# Altium PCB LimeSDR-X3_1v1.PcbDoc (part 21 of 25)
Units mm, origin at the board's own origin, x right, y up, seen from the top; angles counter-clockwise.
Board outline 232.5 x 111.15 mm, 12 copper layers (Top, L2, L3, L4, L5, L6, L7, L8, L9, L10, L11, Bottom), stack 1.596 mm thick; 2068 components, 1388 nets, 8930 pads, 3646 vias.
Unrouted connection lines stored in the file: 1.
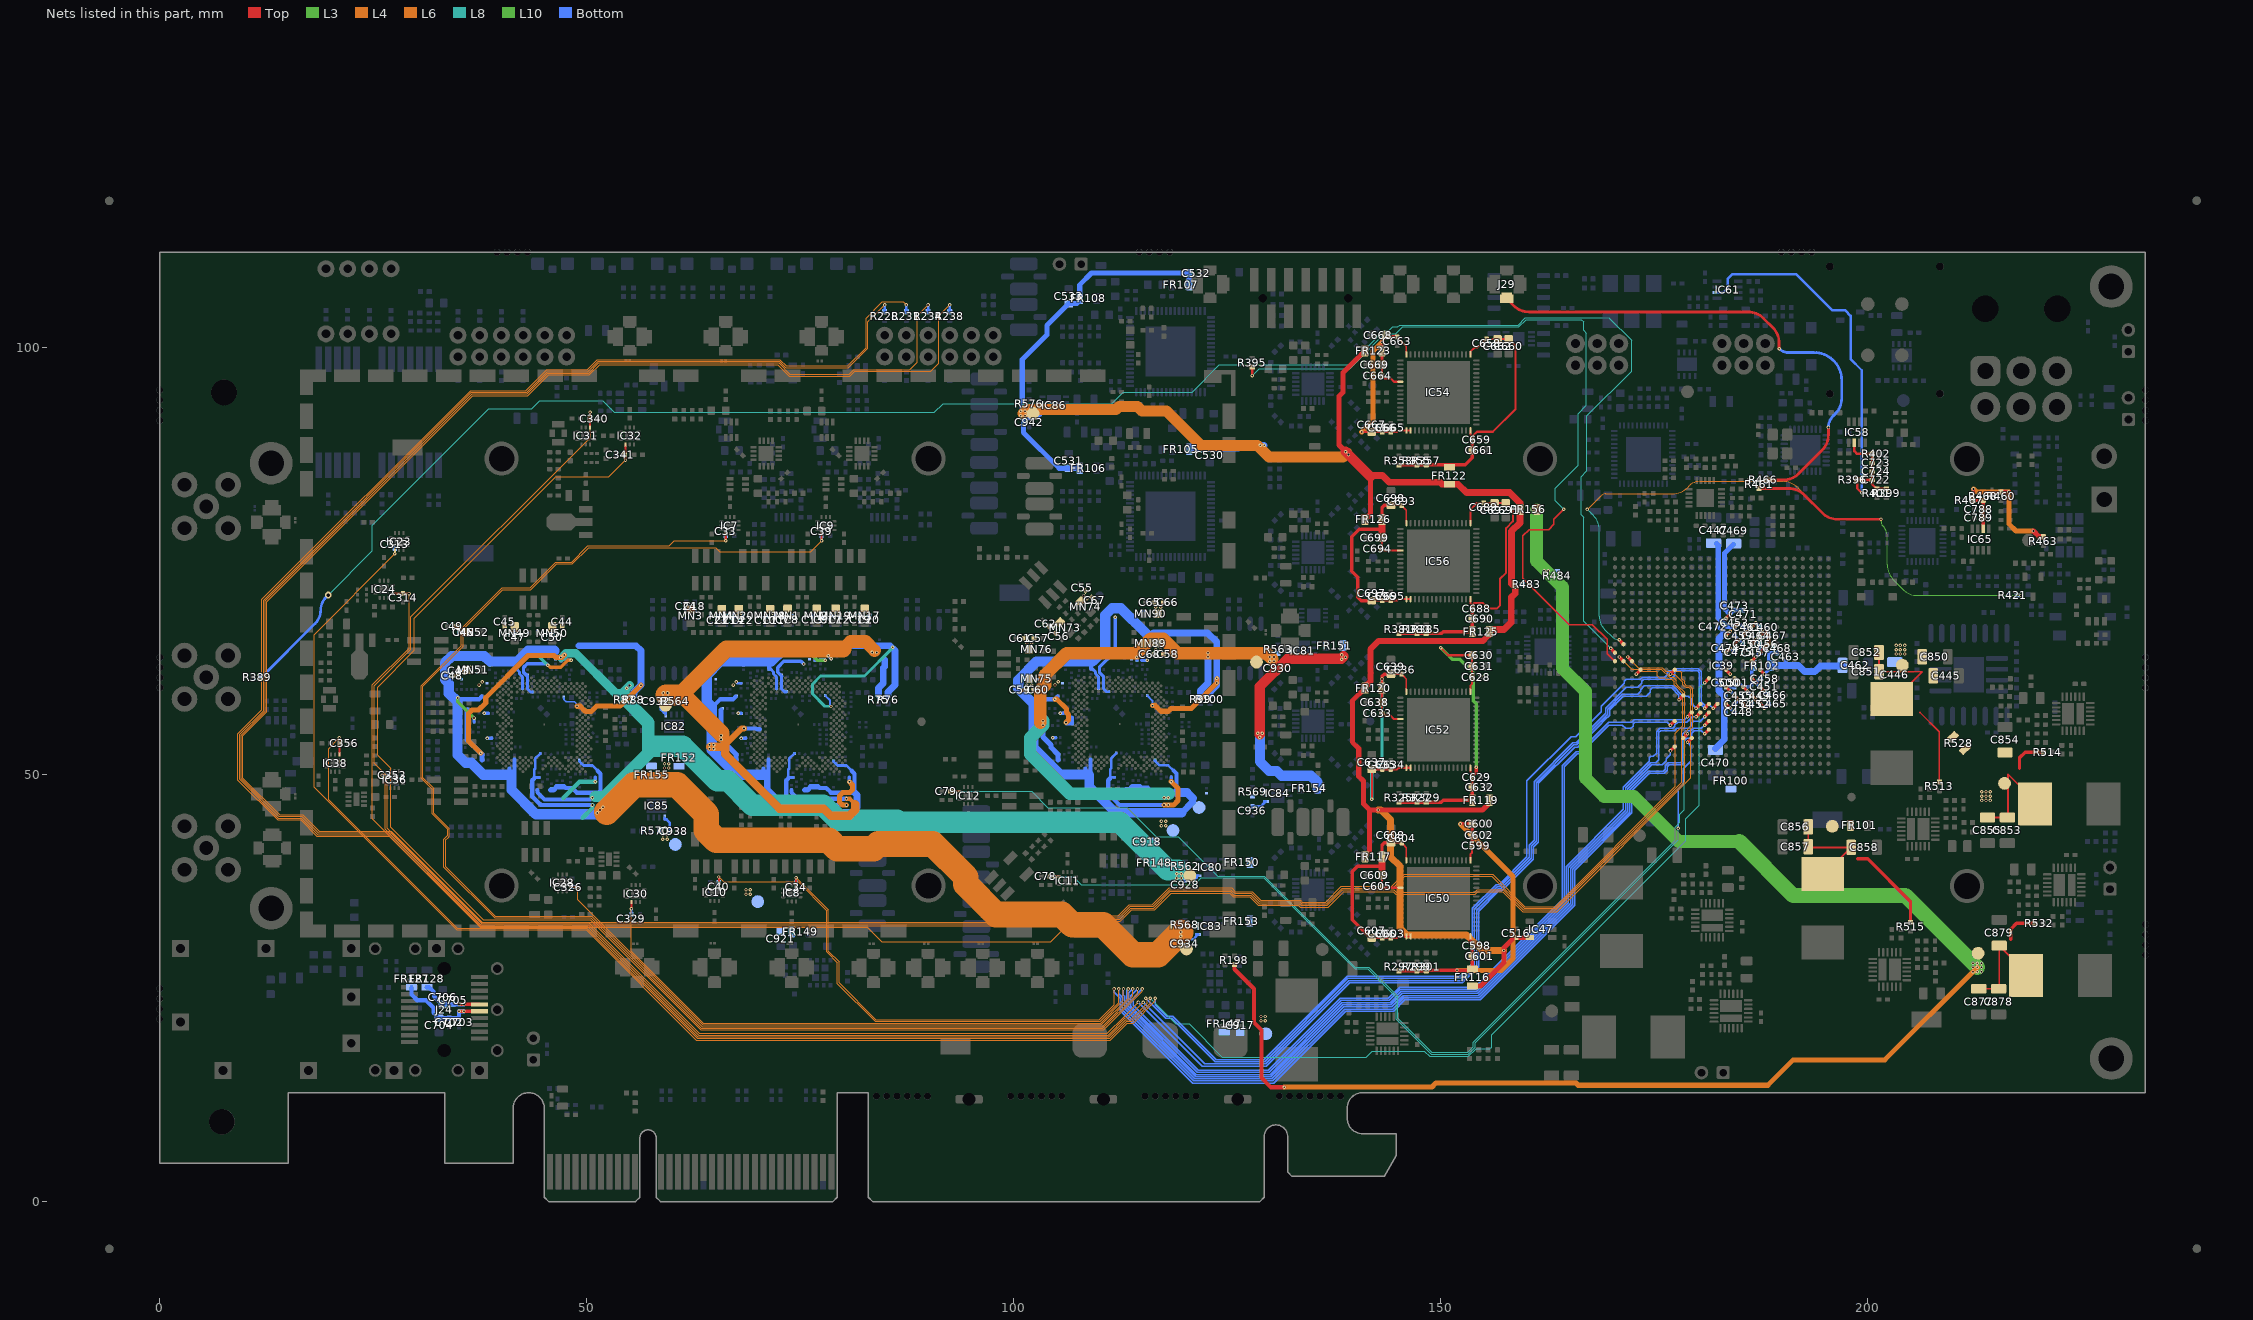
[diagram p31: the nets of this part, all layers, seen from the top]

## Via types
v1: diameter 0.4, hole 0.2, Top to Bottom, tented both sides, 3063 vias
v2: diameter 0.35, hole 0.2, Top to Bottom, tented both sides, 272 vias
v3: diameter 0.5, hole 0.2, Top to Bottom, tented bottom, 196 vias
v4: diameter 0.5, hole 0.2, Top to Bottom, tented both sides, 102 vias
v5: diameter 0.8, hole 0.4, Top to Bottom, tented both sides, 13 vias

## Nets (pads, with @x,y where several pads share a name; then routed paths per layer and width w, separated by ;. In a path a pad name is that pad's centre, name@x,y a point inside that pad or via, vN(x,y) a via of type N, cw(c..) or ccw(c..) an arc to the next point about the centre after c; other vN are vias at no path point) (continued)
PMOD_B_PIN7: IC39.N19 R228.2 | length 314.4
  Top w0.4: v1(176.875,61.775) IC39.N19@177.375,62.275
  L4 w0.1: v1(84.856,104.996) 82.9,103.041 82.9,99.925 80.625,97.65 73.267,97.65 72.517,98.4 51.308,98.4 50.108,97.2 45.85,97.2 45.353,97.2 42.928,94.775 36.468,94.775 36.343,94.65 12.125,70.432 12.125,57.505 9.316,54.696 9.316,49.432 13.849,44.9 16.541,44.9 18.466,42.975 26.945,42.975 37.595,32.325 82.914,32.325 105.892,32.325 106.617,33.05 112.367,33.05 113.692,34.375 116.379,34.375 118.329,36.325 125.326,36.325 125.751,35.9 127.706,35.9 127.714,35.9 128.714,34.9 133.389,34.9 133.614,34.675 136.692,34.675 138.517,36.5 144.475,36.5 144.775,36.2 153.934,36.2 154.234,36.5 157.308,36.5 159.658,34.15 163.526,34.15 178.525,49.149 178.525,54.925 179.275,55.675 179.275,59.992 179.042,60.225 178.647,60.225 178.325,60.547 178.325,60.82 177.37,61.775 v1(176.875,61.775)
  Bottom w0.3: R228.2@84.856,104.2 v1(84.856,104.996)
PMOD_B_PIN8: IC39.P24 R231.2 | length 326.3
  Top w0.4: v1(171.875,63.775) IC39.P24@172.375,63.275
  L4 w0.1: v1(87.399,104.996) 87.049,105.346 84.596,105.346 82.675,103.425 82.675,99.983 80.542,97.85 73.35,97.85 72.6,98.6 51.225,98.6 50.025,97.4 45.933,97.4 45.27,97.4 42.845,94.975 36.385,94.975 36.26,94.85 11.925,70.515 11.925,57.588 9.116,54.779 9.116,49.349 13.766,44.7 16.458,44.7 18.383,42.775 26.862,42.775 37.512,32.125 82.831,32.125 84.506,30.45 104.3,30.45 106.7,32.85 112.45,32.85 113.775,34.175 116.462,34.175 118.412,36.125 125.244,36.125 125.669,35.7 127.624,35.7 127.631,35.7 128.631,34.7 133.306,34.7 133.531,34.475 136.775,34.475 138.6,36.3 144.392,36.3 144.692,36 154.017,36 154.317,36.3 157.225,36.3 159.575,33.95 163.609,33.95 179.275,49.616 179.275,55.35 179.475,55.55 179.475,60.075 179.125,60.425 178.73,60.425 178.525,60.63 178.525,60.903 178.225,61.203 178.225,61.92 178.02,62.125 176.325,62.125 176.317,62.125 175.917,62.525 173.125,62.525 v1(171.875,63.775)
  Bottom w0.3: R231.2@87.399,104.2 v1(87.399,104.996)
PMOD_B_PIN9: IC39.P25 R234.2 | length 327.1
  Top w0.4: v1(170.875,63.775) IC39.P25@171.375,63.275
  L4 w0.1: v1(89.941,104.996) 88.677,103.732 88.677,98.285 87.817,97.425 81.25,97.425 80.7,96.875 73.759,96.875 72.434,98.2 51.391,98.2 50.191,97 45.767,97 45.436,97 43.011,94.575 36.55,94.575 12.325,70.35 12.325,57.422 9.516,54.614 9.516,49.515 13.931,45.1 16.624,45.1 18.549,43.175 27.028,43.175 37.678,32.525 82.997,32.525 105.809,32.525 106.534,33.25 112.284,33.25 113.492,34.458 113.609,34.575 116.297,34.575 118.247,36.525 118.434,36.525 125.244,36.525 125.409,36.525 125.834,36.1 127.789,36.1 127.797,36.1 128.797,35.1 133.472,35.1 133.697,34.875 136.6,34.875 138.425,36.7 144.35,36.7 145.775,38.125 155.967,38.125 159.742,34.35 163.444,34.35 178.225,49.131 178.225,55.325 178.525,55.625 178.525,59.633 177.733,60.425 177.73,60.425 177.525,60.63 177.525,61.075 177.225,61.375 176.775,61.375 175.825,62.325 172.325,62.325 v1(170.875,63.775)
  Bottom w0.3: R234.2@89.941,104.2 v1(89.941,104.996)
PMOD_B_PIN10: IC39.N23 R238.2 | length 326.2
  Top w0.4: v1(172.875,61.775) IC39.N23@173.375,62.275
  L4 w0.1: v1(92.484,104.996) 91.22,103.732 91.22,98.186 90.259,97.225 81.333,97.225 80.783,96.675 73.676,96.675 72.351,98 51.474,98 50.274,96.8 45.684,96.8 45.519,96.8 43.094,94.375 36.633,94.375 36.491,94.233 12.525,70.267 12.525,57.339 9.716,54.531 9.716,49.598 14.014,45.3 16.706,45.3 18.631,43.375 27.111,43.375 37.761,32.725 105.726,32.725 106.451,33.45 112.201,33.45 113.292,34.541 113.526,34.775 116.214,34.775 118.164,36.725 118.517,36.725 125.161,36.725 125.492,36.725 125.917,36.3 127.872,36.3 127.88,36.3 128.88,35.3 133.555,35.3 133.78,35.075 136.517,35.075 138.342,36.9 144.267,36.9 145.692,38.325 156.05,38.325 159.825,34.55 163.361,34.55 177.425,48.614 177.425,54.825 178.325,55.725 178.325,59.55 177.65,60.225 177.647,60.225 177.325,60.547 177.325,60.85 177.025,61.15 176.35,61.15 176.15,61.35 175.575,61.35 175.35,61.575 175.35,61.975 175.2,62.125 173.225,62.125 v1(172.875,61.775)
  Bottom w0.3: R238.2@92.484,104.2 v1(92.484,104.996)
PTP_CLK1_OUT: IC39.T25 R421.2 R461.2 | length 93.3
  Top w0.325: R461.2@187.25,83.5 190.748,83.5 cw(c190.748,80.96) 192.544,82.756 194.671,80.629 ccw(c196.431,82.389) 196.431,79.9 v1(201.525,79.9)
  Top w0.4: v1(170.875,65.775) IC39.T25@171.375,65.275
  L3 w0.1: v1(201.525,79.9) 201.525,79.724 ccw(c202.549,79.724) 201.825,79 cw(c200.739,77.914) 202.275,77.914 202.275,74.552 ccw(c204.815,74.552) 203.019,72.756 204.056,71.719 ccw(c205.852,73.515) 205.852,70.975 v1(217.915,70.975)
  L8 w0.1: v1(167.125,81.05) 167.825,80.35 cw(c166.135,78.66) 168.525,78.66 168.525,68.535 ccw(c170.71,68.535) 169.165,66.99 170.03,66.125 ccw(c170.875,66.97) v1(170.875,65.775)
  L6 w0.1: v1(167.125,81.05) ccw(c167.125,81.11) 167.168,81.068 168.75,82.65 cw(c169.293,82.107) 169.293,82.875 177.098,82.875 ccw(c177.098,85.415) 178.894,83.619 179.1,83.825 cw(c180.307,82.618) 180.307,84.325 189.998,84.325 cw(c189.998,81.785) 191.794,83.581 194.731,80.644 ccw(c196.527,82.44) 196.527,79.9 v1(201.525,79.9)
PTP_CLK2_OUT: IC39.R26 R389.2 | length 223.4
  Top w0.4: v1(169.875,64.775) IC39.R26@170.375,64.275
  L8 w0.1: v5(19.7,71.025) 24.875,76.2 24.875,79.175 38.525,92.825 43.525,92.825 44.475,93.775 51.85,93.775 53.223,92.402 90.677,92.402 91.728,93.453 111.453,93.453 112.8,94.8 120.85,94.8 124.05,98 139.375,98 143.325,101.95 143.9,101.95 144.375,102.425 144.95,102.425 145.15,102.625 159.042,102.625 159.892,103.475 159.975,103.475 160,103.5 169.673,103.5 172.325,100.848 172.325,97.225 167.1,92 167.1,85.575 166.4,84.875 166.4,80.425 166.7,80.125 166.7,67.95 v1(169.875,64.775)
  Bottom w0.325: R389.2@11.875,61.4 18.171,67.696 ccw(c16.592,69.275) 18.825,69.275 cw(c20.937,69.275) 19.444,70.769 v5(19.7,71.025)
PTP_CLK3_OUT: IC39.P26 R395.2 | length 93.8
  Top w0.15: v1(164.375,81.075) 163.225,79.925 163.225,79.3 162.625,78.7 160.325,78.7 159.6,77.975 159.6,72.989 165.013,67.576 167.724,67.576 169.475,65.825 169.475,64.175 IC39.P26@170.375,63.275
  Top w0.325: v1(127.9,96.725) R395.2@127.9,97.725
  L8 w0.1: v1(127.9,96.725) 128.7,97.525 139.3,97.525 143.375,101.6 144.725,101.6 145.55,102.425 159.125,102.425 159.975,103.275 166.425,103.275 166.7,103 166.7,102.025 167.025,101.7 167.025,93.25 166.05,92.275 166.05,86.217 163.375,83.542 163.375,82.075 v1(164.375,81.075)
PTP_XO_DAC_VREF: C722.2 C723.1 C724.1 IC58.2 IC61.2 R396.1 R399.2 R401.1 R402.1 | length 52.5
  Top w0.3: IC58.2@198.4,88.839 198.4,87.889 198.739,87.55 R402.1@200.5,87.55 C723.1@200.5,86.5 C724.1@200.5,85.5 C722.2@200.5,84.5 ; R396.1@198.75,84.55 198.75,83.525 v1(199.275,83) ; R396.1@198.8,84.5 C722.2@200.5,84.5 ; R399.2@202.15,83.45 R401.1@201.05,83.45 200.5,84 C722.2@200.5,84.5
  Bottom w0.3: IC61.2@182.325,106.45 183.075,106.45 183.575,106.95 183.575,108.025 184.15,108.6 191.575,108.6 195.825,104.35 197.35,104.35 197.975,103.725 197.975,98.65 199.275,97.35 v1(199.275,83)
REF_CLK_IN: J29.1 R466.1 | length 60.9
  Top w0.325: J29.1@157.7,105.725 158.506,104.919 ccw(c160.302,106.715) 160.302,104.175 185.973,104.175 cw(c185.973,101.635) 187.769,103.431 188.856,102.344 cw(c187.06,100.548) 189.6,100.548 v1(189.6,99.875) ; R466.1@188.25,84.5 190.098,84.5 ccw(c190.098,87.04) 191.894,85.244 194.631,87.981 ccw(c192.835,89.777) 195.375,89.777 v1(195.375,90.65)
  Bottom w0.325: v1(189.6,99.875) ccw(c190.686,100.961) 190.686,99.425 193.693,99.425 cw(c193.693,96.193) 196.925,96.193 196.925,94.052 cw(c194.385,94.052) 196.181,92.256 195.941,92.016 ccw(c197.306,90.65) v1(195.375,90.65)
RFSW1_LMS3_RX1_V1: C78.1 IC11.10 IC39.E17 | length 108.4
  Top w0.25: C78.1@104.225,38.075 IC11.10@105.275,38.075
  Top w0.4: v1(178.875,53.775) IC39.E17@179.375,54.275
  L8 w0.1: v1(104.789,38.063) 106.937,38.063 107.875,37.125 121.175,37.125 121.95,37.9 129.25,37.9 139.9,27.25 141.45,27.25 144.75,23.95 144.75,21.375 148.85,17.275 153.217,17.275 154,18.058 154,18.6 177.8,42.4 v1(177.8,43.7)
  Bottom w0.15: v1(177.8,43.7) 177.8,48.3 178.35,48.85 178.35,50.675 179.25,51.575 179.25,53.4 v1(178.875,53.775)
RFSW1_LMS3_RX2_V1: C79.1 IC12.10 IC39.E18 | length 123.9
  Top w0.25: C79.1@92.59,48.037 IC12.10@93.64,48.037
  Top w0.4: IC39.E18@178.375,54.275 v1(178.875,54.775)
  L8 w0.1: v1(93.154,48.025) 102.075,48.025 103.975,46.125 113.278,46.125 116.678,42.725 119.25,42.725 123.875,38.1 129.333,38.1 139.983,27.45 141.533,27.45 144.95,24.033 144.95,21.458 148.933,17.475 153.134,17.475 153.8,18.141 153.8,18.683 177.425,42.308 177.425,43.85 177.975,44.4 177.975,45.35 178.5,45.875 178.5,54.4 v1(178.875,54.775)
RFSW_LMS1_RX1_V1: C34.1 IC8.10 IC39.F15 | length 151
  Top w0.25: IC8.10@74.488,37.145 v1(74.488,37.934)
  Top w0.4: v1(180.875,54.775) IC39.F15@181.375,55.275
  L6 w0.1: v1(74.488,37.934) 78.275,34.147 78.275,29.325 79.525,28.075 79.525,25.6 83.825,21.3 109.994,21.3 111.725,23.031 v1(111.725,24.9)
  Bottom w0.15: v1(111.725,24.9) 111.725,24.525 112.45,23.8 112.45,22.375 115.85,18.975 120.95,13.875 130.4,13.875 138.825,22.3 144.45,22.3 145.775,23.625 154.6,23.625 165.675,34.7 165.675,38.811 172.371,45.507 172.371,48.121 174.4,50.15 176.15,50.15 176.5,50.5 176.5,50.93 176.72,51.15 178.204,51.15 178.5,51.446 178.5,53.975 178.794,54.269 179.133,54.269 179.381,54.516 179.381,54.856 179.675,55.15 180.5,55.15 v1(180.875,54.775)
  Bottom w0.25: C34.1@74.488,37.307 v1(74.488,37.934)
RFSW_LMS1_RX2_V1: C40.1 IC10.10 IC39.G15 | length 160.3
  Top w0.25: IC10.10@65.44,37.22 v1(65.44,38.009)
  Top w0.4: v1(180.875,55.775) IC39.G15@181.375,56.275
  L6 w0.1: v1(65.44,38.009) 66.024,37.425 74.714,37.425 78.075,34.064 78.075,29.242 79.325,27.992 79.325,25.517 83.742,21.1 110.076,21.1 112.276,23.3 v1(112.276,24.9)
  Bottom w0.15: v1(112.276,24.9) 112.276,24.327 112.7,23.904 112.7,22.479 121.054,14.125 130.296,14.125 138.721,22.55 144.346,22.55 145.671,23.875 154.496,23.875 165.425,34.804 165.425,38.914 172.121,45.611 172.121,48.225 174.296,50.4 176.03,50.4 176.25,50.62 176.25,51.034 176.616,51.4 178.1,51.4 178.25,51.55 178.25,54.7 178.7,55.15 179.279,55.15 179.529,55.4 180.5,55.4 v1(180.875,55.775)
  Bottom w0.25: C40.1@65.44,37.362 v1(65.44,38.009)
RFSW_LMS1_TX1_V1: C33.1 IC7.10 IC39.G19 | length 255.5
  Top w0.25: v1(66.247,77.371) IC7.10@66.247,78.16
  Top w0.4: v1(176.875,55.775) IC39.G19@177.375,56.275
  L6 w0.1: v1(66.247,77.371) 60.246,77.371 59.65,76.775 50.1,76.775 48.2,74.875 46.35,74.875 43.35,71.875 40.067,71.875 35.3,67.108 35.3,65.108 30.6,60.408 30.6,49.567 31.875,48.292 31.875,45.417 32.425,44.867 33.167,44.125 33.7,43.592 33.7,42.875 33.65,42.825 33.647,42.825 33.25,42.428 33.25,39.15 33.425,38.975 39.175,33.225 50.467,33.225 63.392,20.3 110.408,20.3 114.123,24.015 114.123,24.023 114.471,24.371 v1(114.471,24.9)
  Bottom w0.15: v1(114.471,24.9) 113.7,24.129 113.7,22.893 121.468,15.125 129.882,15.125 138.307,23.55 143.932,23.55 145.257,24.875 154.082,24.875 164.425,35.218 164.425,50.932 165.932,52.44 166.307,52.44 169.293,55.425 169.293,55.43 169.513,55.65 169.518,55.65 169.664,55.796 171.229,55.796 171.625,55.4 172.25,55.4 172.5,55.65 172.5,55.93 172.72,56.15 176.5,56.15 v1(176.875,55.775)
  Bottom w0.25: v1(66.247,77.371) C33.1@66.247,77.998
RFSW_LMS1_TX2_V1: C39.1 IC9.10 IC39.H16 | length 265.6
  Top w0.25: v1(77.473,77.371) IC9.10@77.473,78.16
  Top w0.4: v1(179.875,56.775) IC39.H16@180.375,57.275
  L6 w0.1: v1(77.473,77.371) 76.203,76.1 65.55,76.1 65.075,76.575 50.183,76.575 48.283,74.675 46.433,74.675 43.433,71.675 40.15,71.675 35.5,67.025 35.5,65.025 30.8,60.325 30.8,49.65 32.075,48.375 32.075,45.5 33.9,43.675 33.9,42.792 33.733,42.625 33.73,42.625 33.45,42.345 33.45,39.233 39.258,33.425 50.55,33.425 63.475,20.5 110.325,20.5 113.923,24.098 v1(113.923,24.9)
  Bottom w0.15: v1(113.923,24.9) 113.45,24.427 113.45,22.789 121.364,14.875 129.986,14.875 138.411,23.3 144.036,23.3 145.361,24.625 154.186,24.625 164.675,35.114 164.675,39.225 171.371,45.921 171.371,48.546 174.4,51.575 174.4,51.976 174.574,52.15 174.875,52.15 175.25,52.525 175.25,54.75 175.25,55.034 175.616,55.4 177.15,55.4 177.4,55.65 177.4,55.83 177.72,56.15 178.8,56.15 179.425,56.775 v1(179.875,56.775)
  Bottom w0.25: v1(77.473,77.371) C39.1@77.473,77.998
RFSW_LMS2_RX1C_V1: C326.1 IC28.10 IC39.H15 | length 173.3
  Top w0.25: IC28.10@48.127,36.826 v1(48.916,36.826)
  Top w0.4: v1(180.875,56.775) IC39.H15@181.375,57.275
  L6 w0.1: v1(48.916,36.826) 48.916,35.341 63.558,20.7 110.242,20.7 113.374,23.832 v1(113.374,24.9)
  Bottom w0.15: v1(113.374,24.9) 113.2,24.726 113.2,22.686 121.261,14.625 130.089,14.625 138.514,23.05 144.139,23.05 145.464,24.375 154.289,24.375 164.925,35.011 164.925,39.121 171.621,45.818 171.621,48.443 174.579,51.4 175.175,51.4 175.5,51.725 175.5,54.93 175.72,55.15 177.375,55.15 177.625,55.4 179.03,55.4 179.325,55.695 179.325,55.996 179.604,56.275 180.375,56.275 v1(180.875,56.775)
  Bottom w0.25: C326.1@48.289,36.826 v1(48.916,36.826)
RFSW_LMS2_RX1IN_V1: C329.1 IC30.10 IC39.D19 | length 160.6
  Top w0.25: v1(55.209,34.279) IC30.10@55.209,35.069
  Top w0.4: v1(176.875,52.775) IC39.D19@177.375,53.275
  L6 w0.1: v1(55.209,34.279) 55.209,29.332 63.641,20.9 110.159,20.9 112.825,23.566 v1(112.825,24.9)
  Bottom w0.15: v1(112.825,24.9) 112.825,24.15 112.95,24.025 112.95,22.582 121.157,14.375 130.193,14.375 138.618,22.8 144.243,22.8 145.568,24.125 154.393,24.125 165.175,34.907 165.175,39.018 171.871,45.714 171.871,48.329 174.693,51.15 175.925,51.15 176.4,51.625 176.4,51.875 176.875,52.35 v1(176.875,52.775)
  Bottom w0.25: C329.1@55.209,33.632 v1(55.209,34.279)
RFSW_LMS2_RX2C_V1: C353.1 IC36.10 IC39.J16 | length 205.2
  Top w0.25: v1(26.029,49.907) IC36.10@26.466,49.907
  Top w0.4: v1(179.875,57.775) IC39.J16@180.375,58.275
  L6 w0.1: v1(26.029,49.907) 26.4,49.535 26.4,43.608 37.583,32.425 50.136,32.425 63.061,19.5 111.037,19.5 113.037,21.5 113.302,21.5 v1(115.127,23.325)
  Bottom w0.15: v1(115.127,23.325) 122.327,16.125 129.461,16.125 139.211,25.875 152.418,25.875 154.175,27.632 154.175,34.114 156.686,36.625 157.011,36.625 160.575,40.189 160.575,41.607 161.15,42.182 161.15,49.071 165.554,53.475 165.929,53.475 168.293,55.839 168.293,55.845 169.098,56.65 169.104,56.65 169.525,57.071 169.525,57.679 171.246,59.4 172.134,59.4 173.03,59.4 173.375,59.745 173.375,59.95 173.825,60.4 177.134,60.4 178.334,59.2 178.98,59.2 179.375,58.805 179.375,58.275 v1(179.875,57.775)
  Bottom w0.25: v1(26.029,49.907) C353.1@26.676,49.907
RFSW_LMS2_RX2IN_V1: C356.1 IC38.10 IC39.M15 | length 217.3
  Top w0.25: IC38.10@21.016,52.332 v1(21.016,54.307)
  Top w0.4: v1(180.875,60.775) IC39.M15@181.375,61.275
  L8 w0.1: v1(115.975,23.8) 118.95,20.825 120.514,20.825 124.414,16.925 141.266,16.925 141.966,17.625 148.05,17.625 148.675,17 153.225,17 154.125,17.9 155.725,17.9 155.925,18.1 155.925,19.525 178.675,42.275 178.675,44.825 180.25,46.4 180.25,60.15 v1(180.875,60.775)
  L6 w0.1: v1(21.016,54.307) 19.75,53.041 19.75,47.083 34.808,32.025 49.97,32.025 62.895,19.1 111.202,19.1 113.202,21.1 113.859,21.1 115.975,23.216 v1(115.975,23.8)
RFSW_LMS2_TRX1_V1: C313.1 IC23.10 IC39.J14 | length 247.3
  Top w0.25: v1(27.504,75.852) IC23.10@27.504,76.289
  Top w0.4: v1(181.875,57.775) IC39.J14@182.375,58.275
  L6 w0.1: v1(27.504,75.852) 18.05,66.398 18.05,48.5 34.725,31.825 49.887,31.825 62.812,18.9 111.285,18.9 113.285,20.9 113.942,20.9 116.55,23.508 v1(116.55,23.8)
  Bottom w0.15: v1(116.55,23.8) 116.55,23.03 117.88,21.7 118.604,21.7 123.679,16.625 129.254,16.625 139.004,26.375 152.211,26.375 153.675,27.839 153.675,34.321 156.479,37.125 156.804,37.125 160.075,40.396 160.075,49.252 165.23,54.407 165.791,54.407 168.75,57.366 168.75,57.611 168.775,57.636 168.775,58.025 171.475,60.725 171.475,60.95 171.675,61.15 173.366,61.15 173.616,61.4 176.2,61.4 176.5,61.7 176.5,61.93 176.72,62.15 177.196,62.15 177.446,62.4 180.154,62.4 180.5,62.054 180.5,58.55 180.9,58.15 181.5,58.15 v1(181.875,57.775)
  Bottom w0.25: v1(27.504,75.852) C313.1@27.504,76.489
RFSW_LMS2_TRX1T_V1: C314.1 IC24.10 IC39.J15 | length 235.1
  Top w0.25: IC24.10@27.229,71.202 v1(29.167,71.202)
  Top w0.4: v1(180.875,57.775) IC39.J15@181.375,58.275
  L6 w0.1: v1(29.167,71.202) 29.167,64.79 24.875,60.499 24.875,44.85 37.5,32.225 50.053,32.225 62.978,19.3 111.119,19.3 113.119,21.3 113.651,21.3 115.6,23.249 115.6,23.626 v1(115.426,23.8)
  Bottom w0.15: v1(115.426,23.8) 117.776,21.45 118.5,21.45 123.575,16.375 129.357,16.375 139.107,26.125 152.314,26.125 153.925,27.736 153.925,34.218 156.582,36.875 156.907,36.875 160.325,40.293 160.325,41.711 160.9,42.286 160.9,49.175 165.45,53.725 165.825,53.725 168.043,55.943 168.043,55.948 168.995,56.9 169,56.9 169.275,57.175 169.275,57.796 171.704,60.225 173.05,60.225 173.5,60.675 173.5,60.93 173.72,61.15 176.875,61.15 177.375,61.65 177.375,61.975 177.55,62.15 180.05,62.15 180.25,61.95 180.25,58.4 v1(180.875,57.775)
RFSW_LMS2_TRX2_V1: C341.1 IC32.10 IC39.H17 | length 258.8
  Top w0.25: C341.1@54.411,87.444 C341.1@54.511,87.545 ; v1(54.511,86.795) C341.1@54.511,87.545 ; IC32.10@54.511,88.67 C341.1@54.511,87.545
  Top w0.4: v1(178.875,56.775) IC39.H17@179.375,57.275
  L6 w0.1: v1(54.511,86.795) 52.567,84.85 46.325,84.85 29.767,68.292 29.767,64.542 25.475,60.25 25.475,52.245 27,50.72 27,43.856 37.831,33.025 50.384,33.025 63.309,20.1 110.491,20.1 114.323,23.932 114.323,23.94 115.02,24.637 v1(115.02,24.9)
  Bottom w0.15: v1(115.02,24.9) 113.95,23.83 113.95,22.996 121.571,15.375 129.779,15.375 138.204,23.8 143.829,23.8 145.154,25.125 153.979,25.125 164.175,35.321 164.175,51.036 165.829,52.69 166.204,52.69 169.043,55.529 169.043,55.534 169.409,55.9 169.414,55.9 169.664,56.15 172.366,56.15 172.616,56.4 178.5,56.4 v1(178.875,56.775)
RFSW_LMS2_TRX2T_V1: C340.1 IC31.10 IC39.K18 | length 256.6
  Top w0.25: IC31.10@50.361,90.669 v1(50.361,92.444)
  Top w0.4: v1(177.875,58.775) IC39.K18@178.375,59.275
  L6 w0.1: v1(50.361,92.444) 50.361,89.452 29.367,68.457 29.367,64.707 25.075,60.416 25.075,51.355 26.6,49.83 26.6,43.691 37.666,32.625 50.219,32.625 63.144,19.7 110.949,19.7 112.954,21.7 v1(114.579,23.325)
  Bottom w0.15: v1(114.579,23.325) 122.029,15.875 129.564,15.875 139.314,25.625 152.521,25.625 154.425,27.529 154.425,34.011 156.789,36.375 157.114,36.375 160.825,40.086 160.825,41.504 161.4,42.079 161.4,48.968 165.657,53.225 166.032,53.225 168.543,55.736 168.543,55.741 169.202,56.4 169.207,56.4 169.775,56.968 169.775,57.575 171.35,59.15 172.03,59.15 174.025,59.15 174.5,59.625 174.5,59.93 174.72,60.15 177.03,60.15 177.875,59.305 v1(177.875,58.775)
SFP_VCCR: C702.2 C703.2 C704.2 FR127.2 J24.15 | length 11.7
  Top w0.4: v1(35.025,22.291) v1(35.591,22.291) J24.15@37.399,22.291
  Bottom w0.5: FR127.2@29.457,25.093 29.457,24.243 30.125,23.575 31.15,23.575 32.025,22.7 32.025,22.125 32.425,21.725 32.425,21.675 32.625,21.475 32.675,21.475 33.075,21.475 C702.2@33.875,21.475 C703.2@35.022,21.475 35.022,21.642 35.025,21.645 v1(35.025,22.291) v1(35.591,22.291)
SFP_VCCT: C705.2 C706.2 FR128.2 J24.16 | length 7.9
  Top w0.4: v1(35.025,23.091) v1(35.591,23.091) J24.16@37.399,23.091
  Bottom w0.5: FR128.2@31.25,25.1 31.5,25.1 32.075,24.525 32.075,24.05 32.8,23.325 32.8,23.275 33,23.075 33.05,23.075 33.066,23.091 C705.2@34.35,23.091 v1(35.025,23.091) v1(35.591,23.091)
TCXO_DAC_VREF: C788.2 C789.1 IC65.2 R460.1 R463.2 R467.1 R468.1 | length 19.3
  Top w0.4: v1(212.35,83.45) R467.1@212.35,82.1 R468.1@213.499,82.1 ; IC65.2@213.5,78.79 R468.1@213.5,82.099
  Top w0.6: R460.1@215.599,83.1 v1(216.5,83.1) ; v1(219.375,78.525) 220.052,77.848 R463.2@220.55,77.848
  L4 w0.6: v1(212.35,83.45) 212.7,83.1 v1(216.5,83.1) 216.5,79.375 217.35,78.525 v1@219.275,78.525